# Altium PCB BLDC_DRIVER_1.2_AR.PcbDoc (part 1 of 3)
Units mil, origin at the board's own origin, x right, y up, seen from the top; angles counter-clockwise.
Board outline 6000 x 4990 mil, 4 copper layers (Top Layer, Signal Layer 1, Signal Layer 2, Bottom Layer), stack 33.334 mil thick; 219 components, 206 nets, 924 pads, 380 vias.
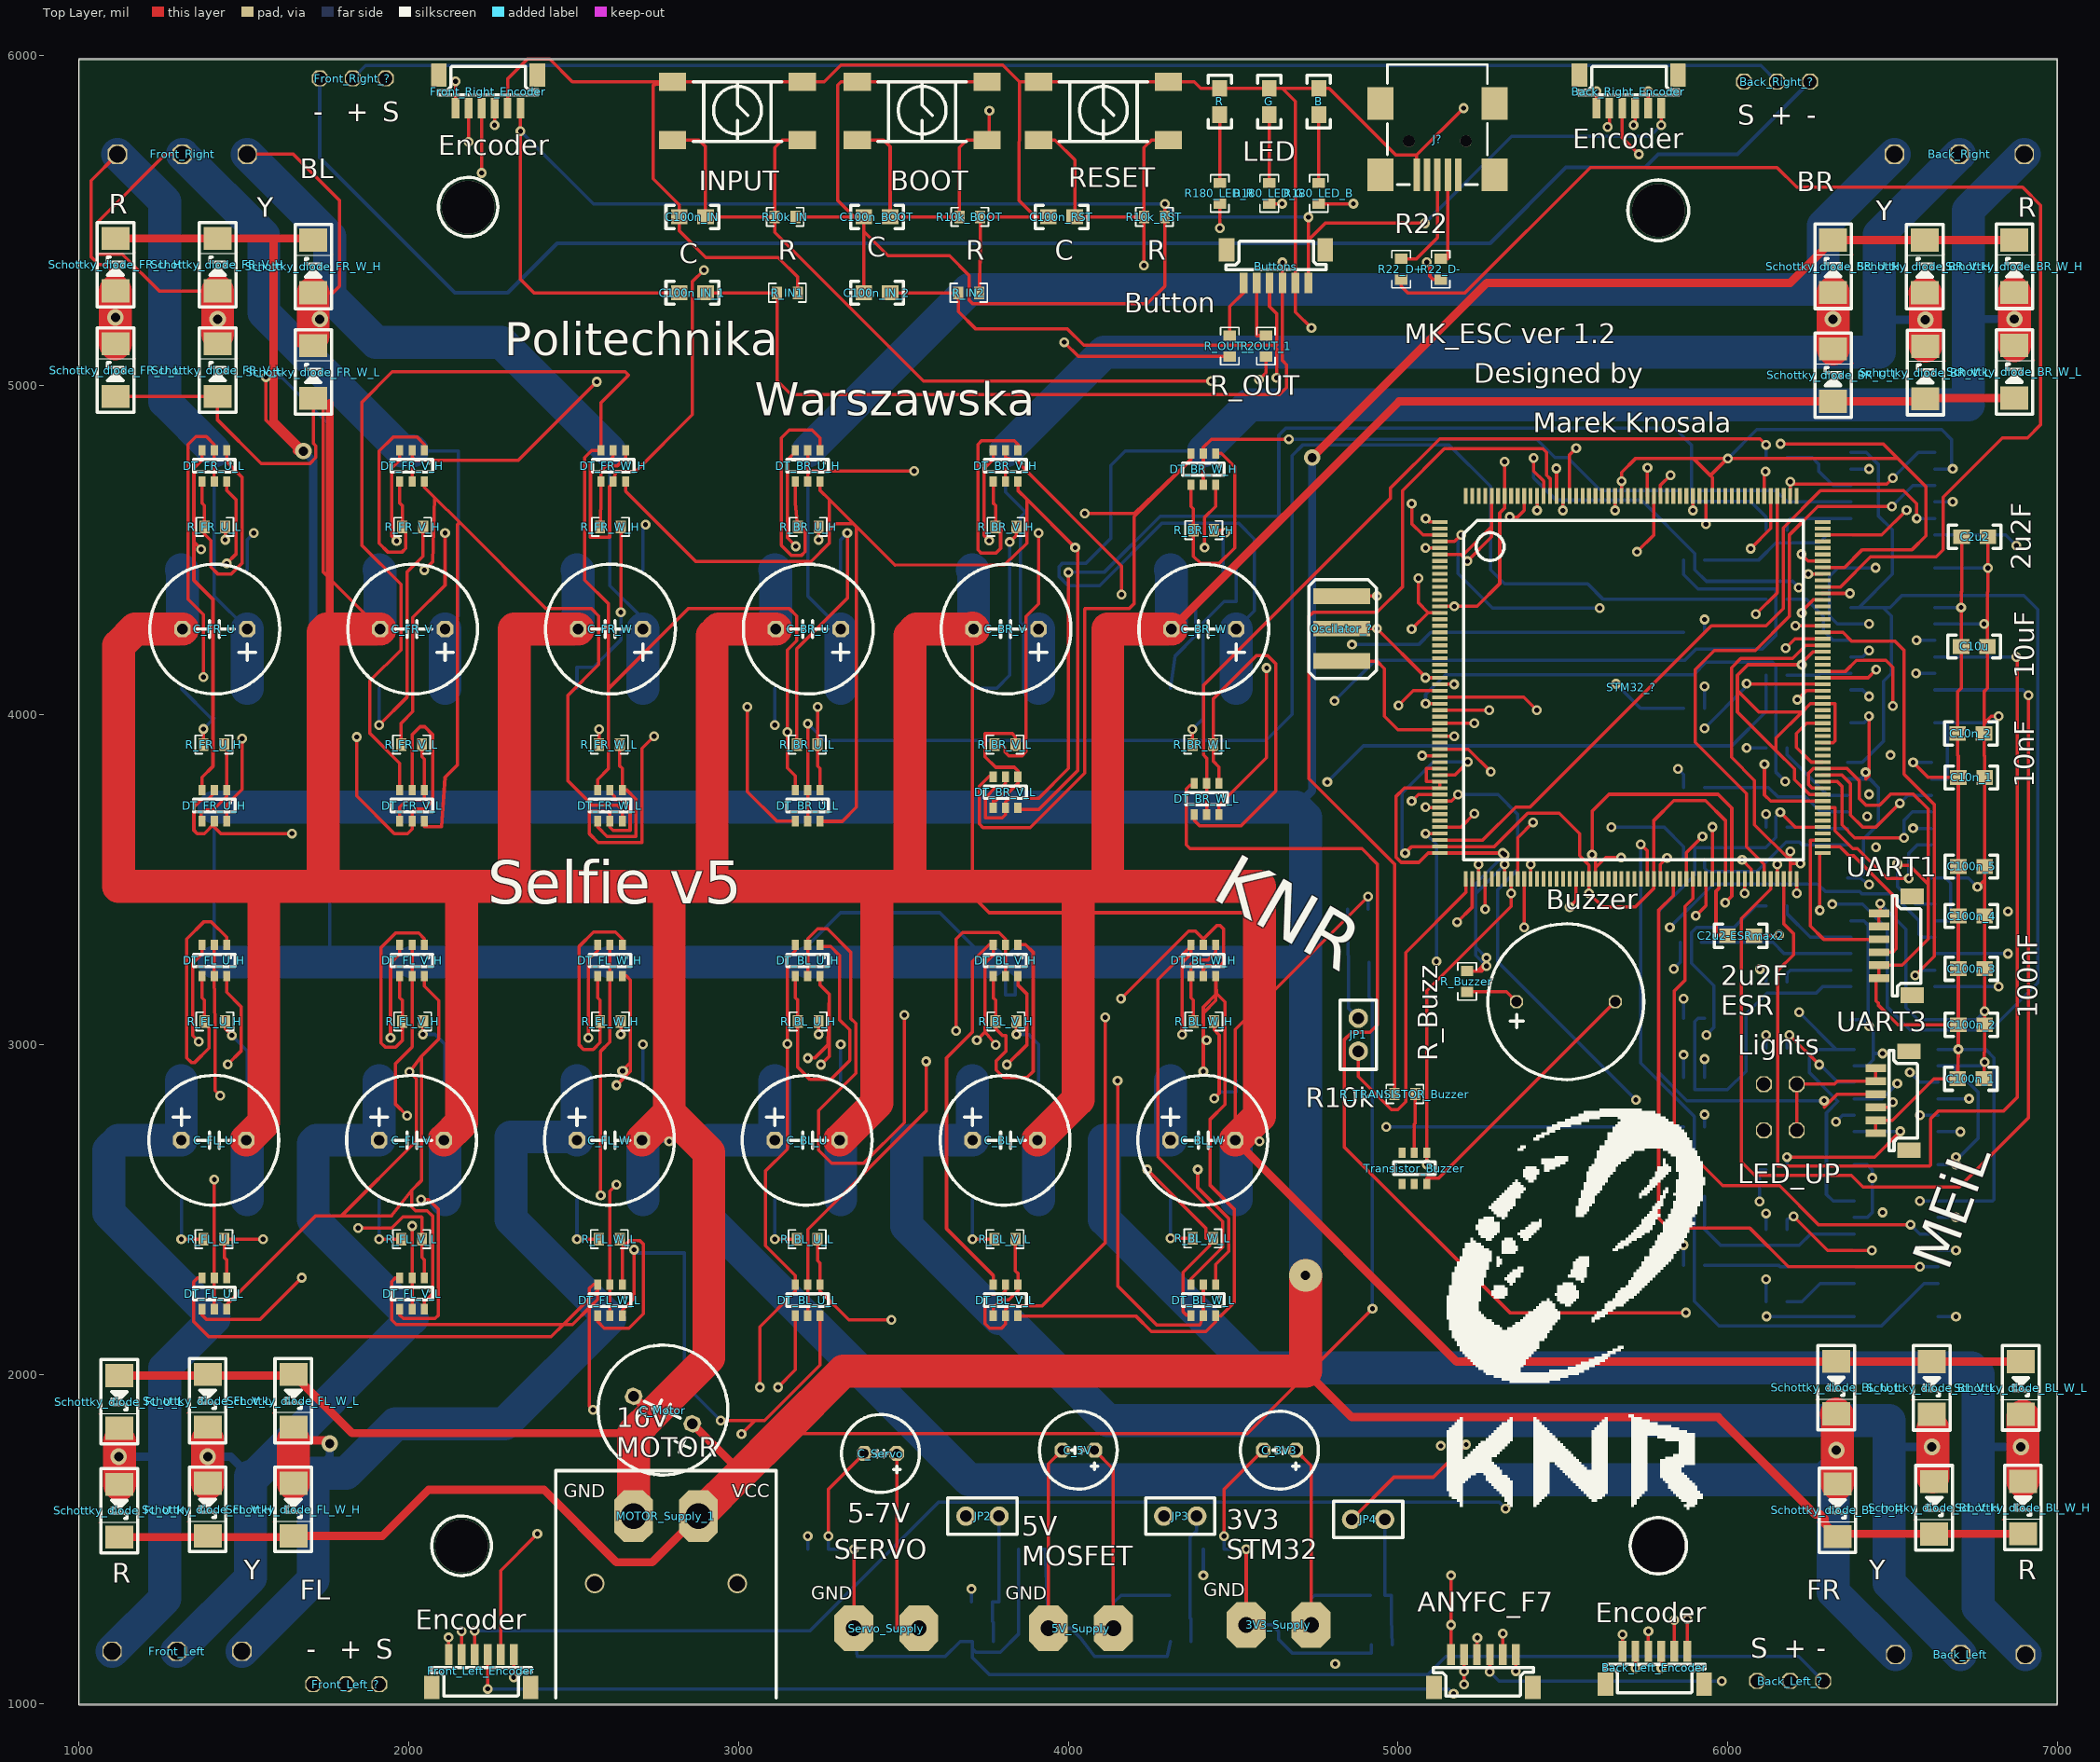
[diagram p0: Top Layer view]
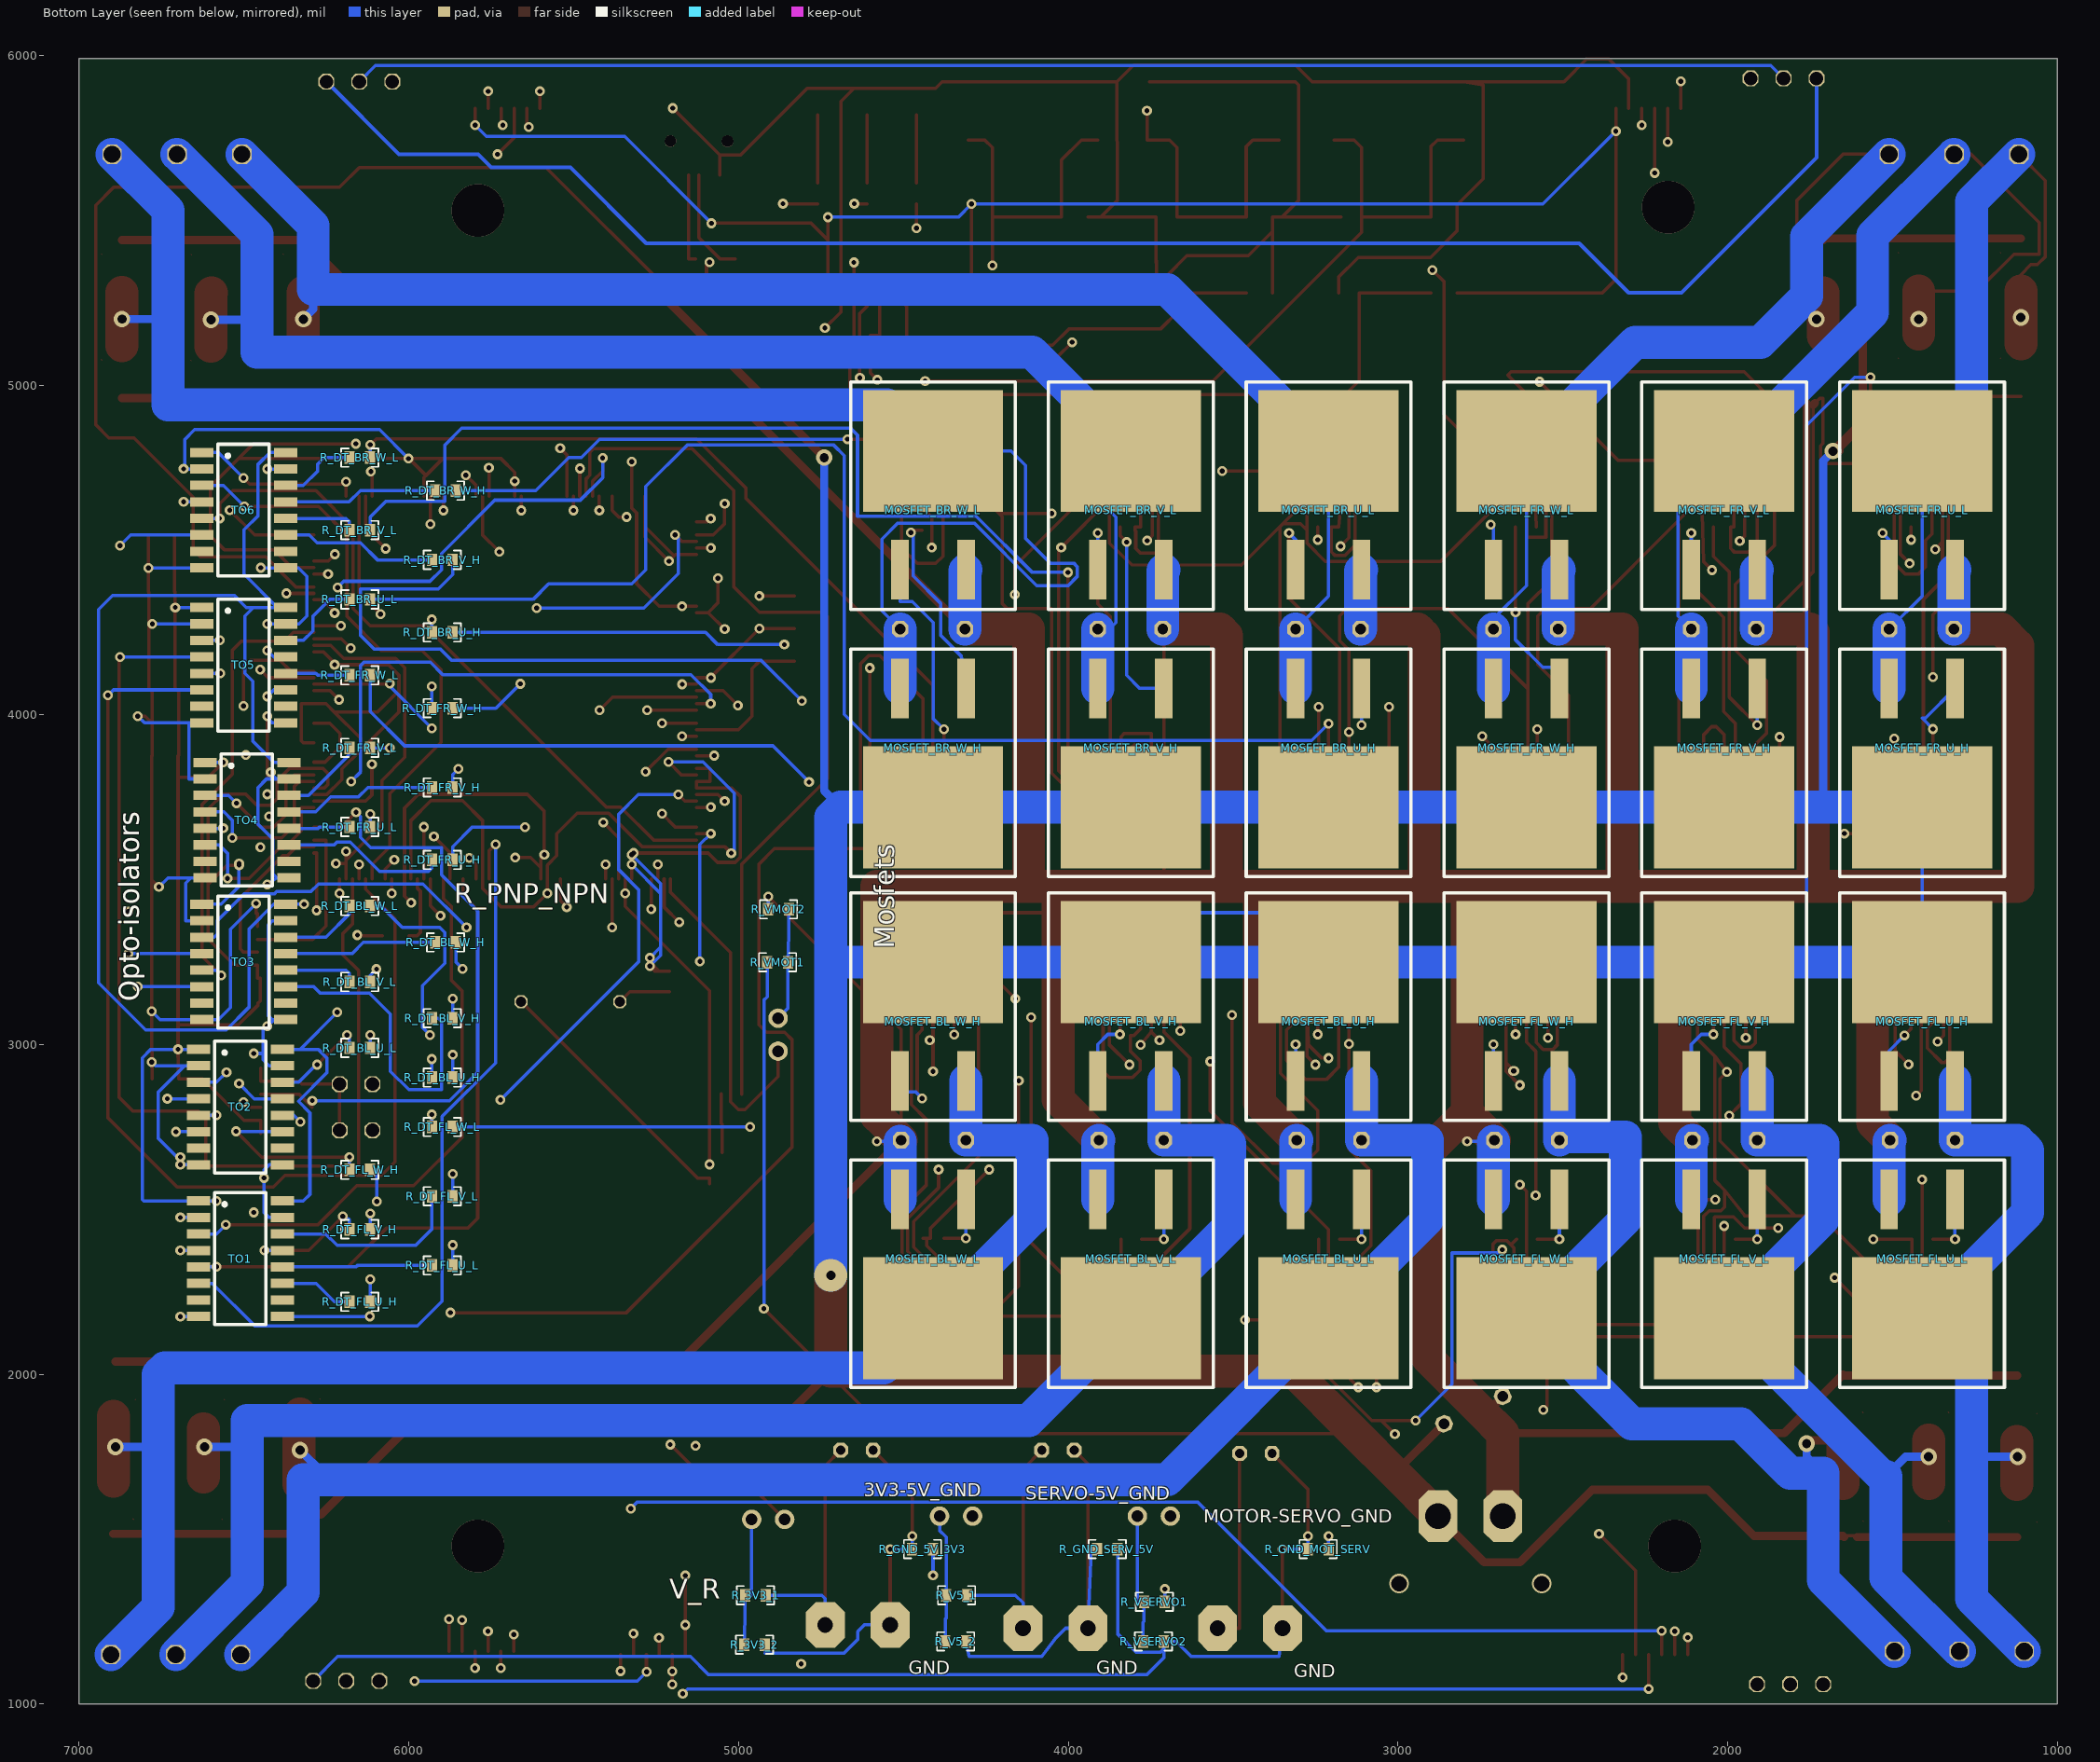
[diagram p1: Bottom Layer view, seen from below]
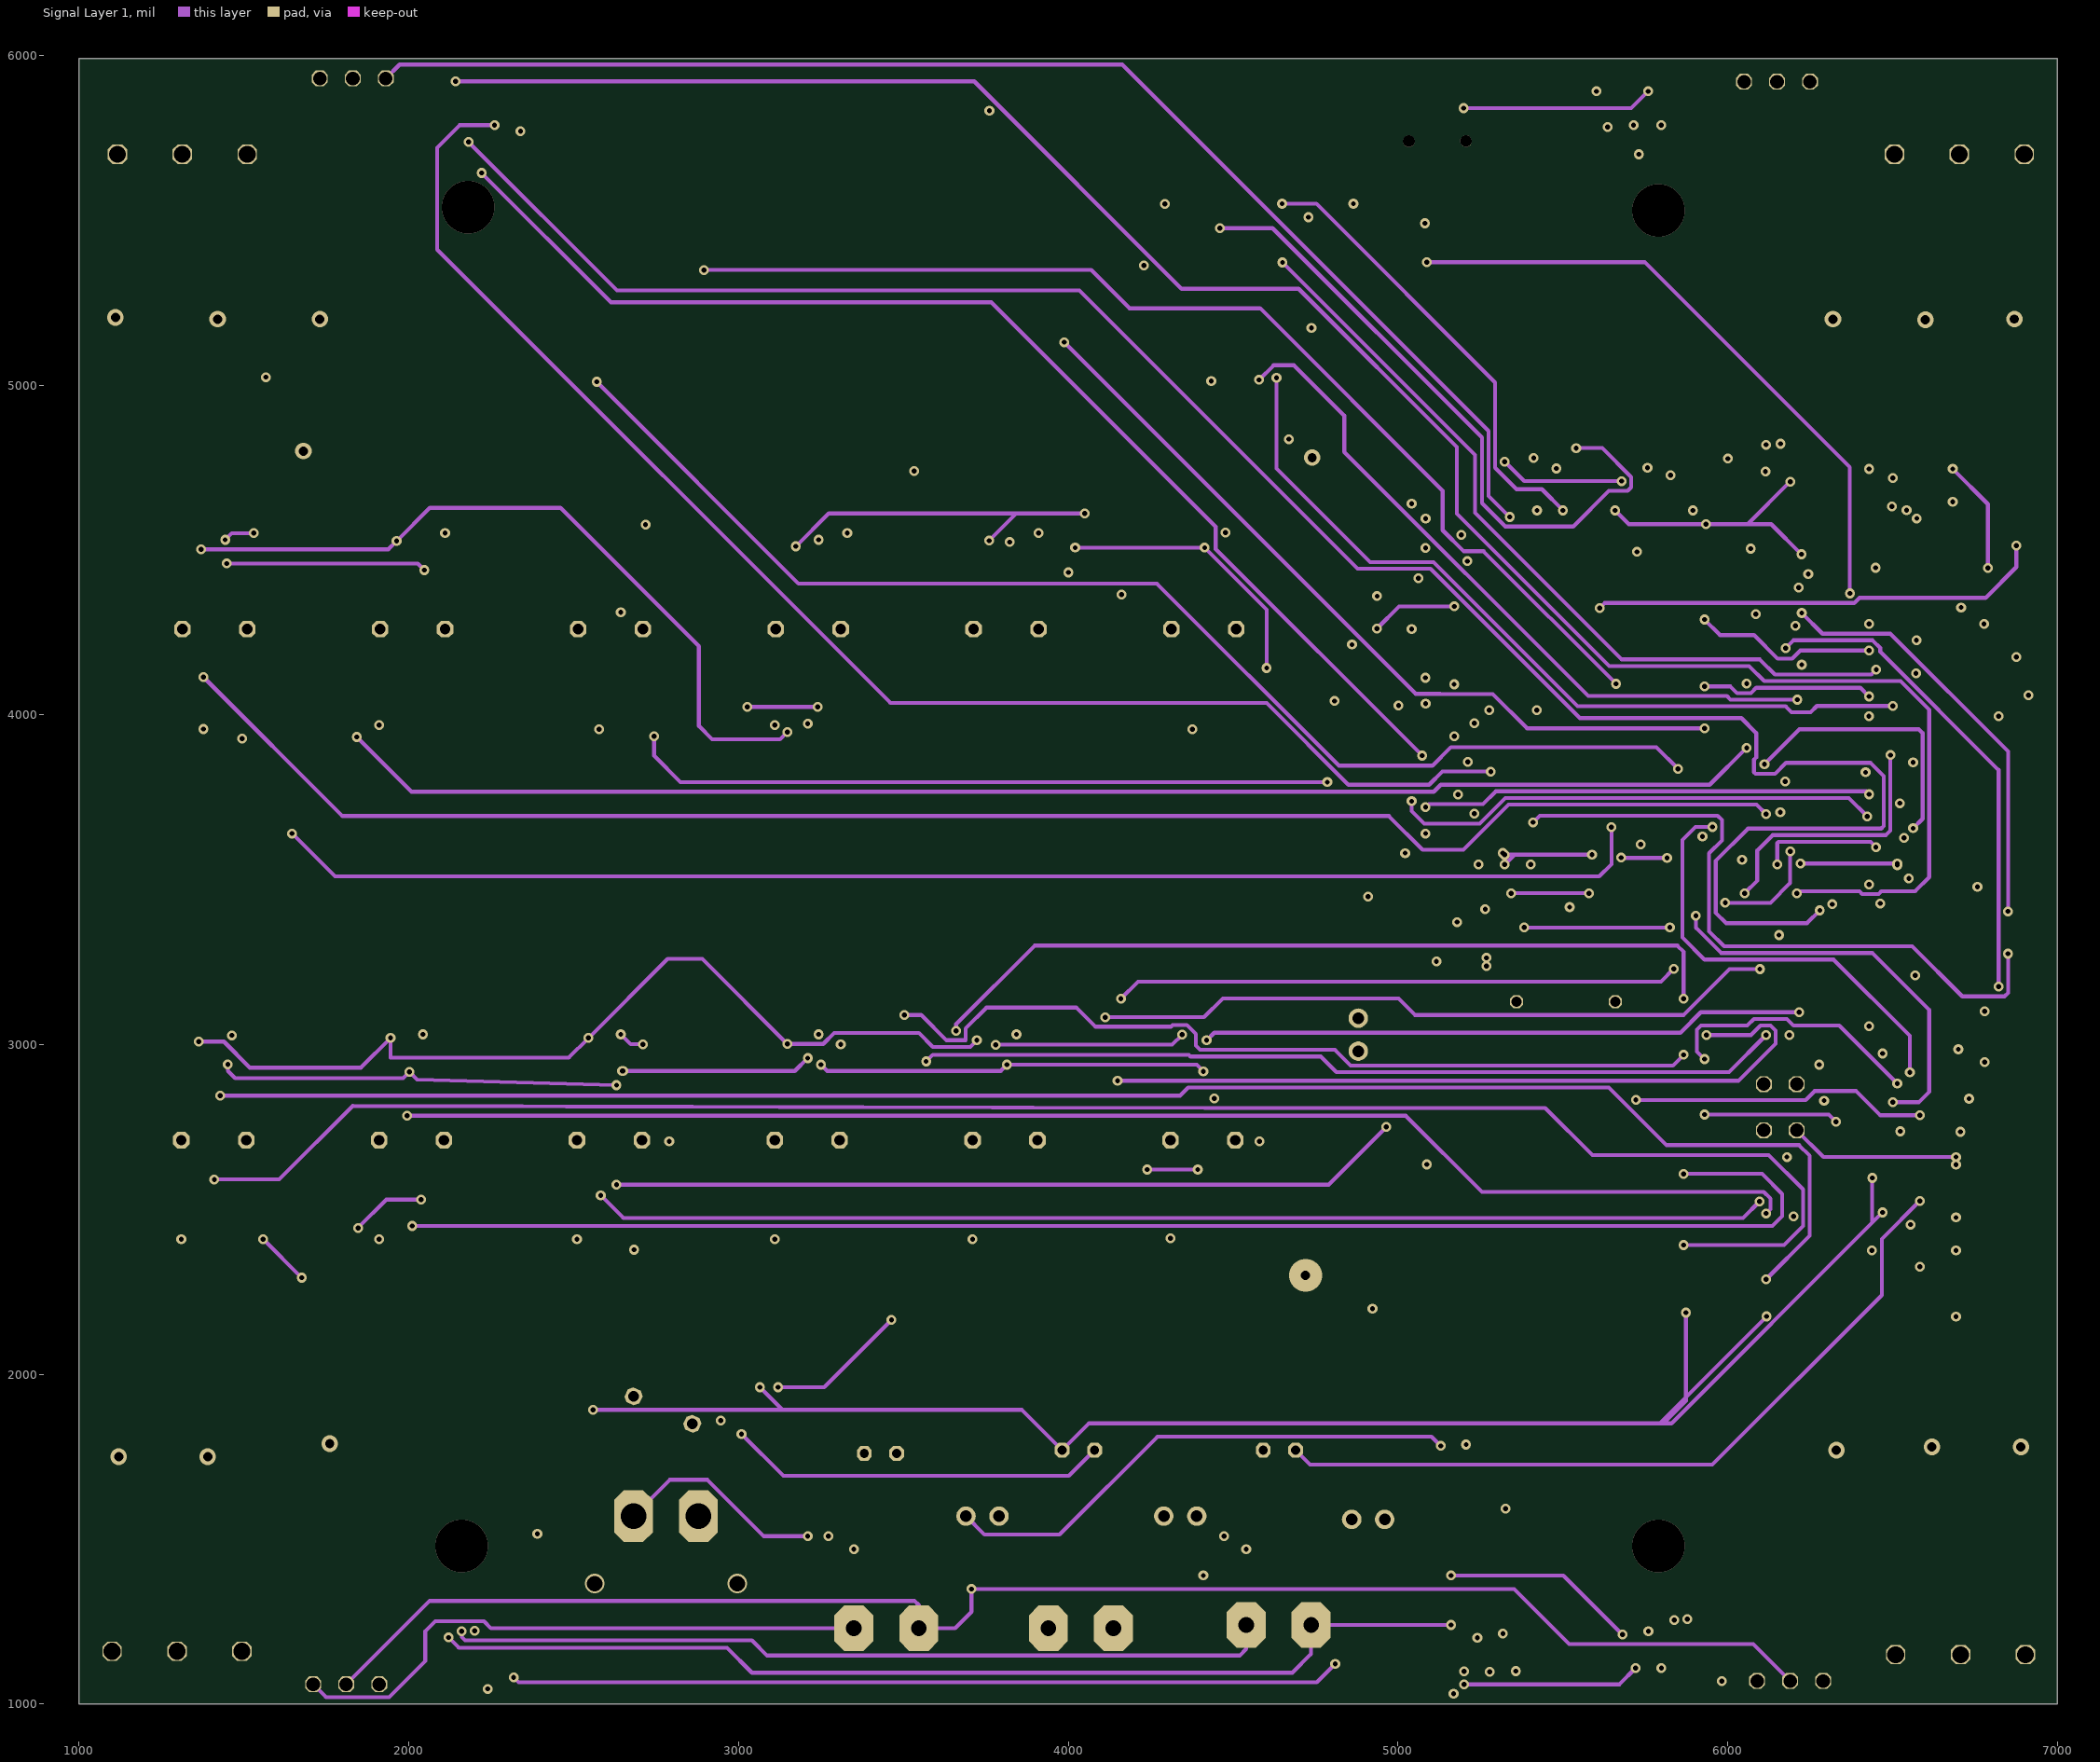
[diagram p2: Signal Layer 1]
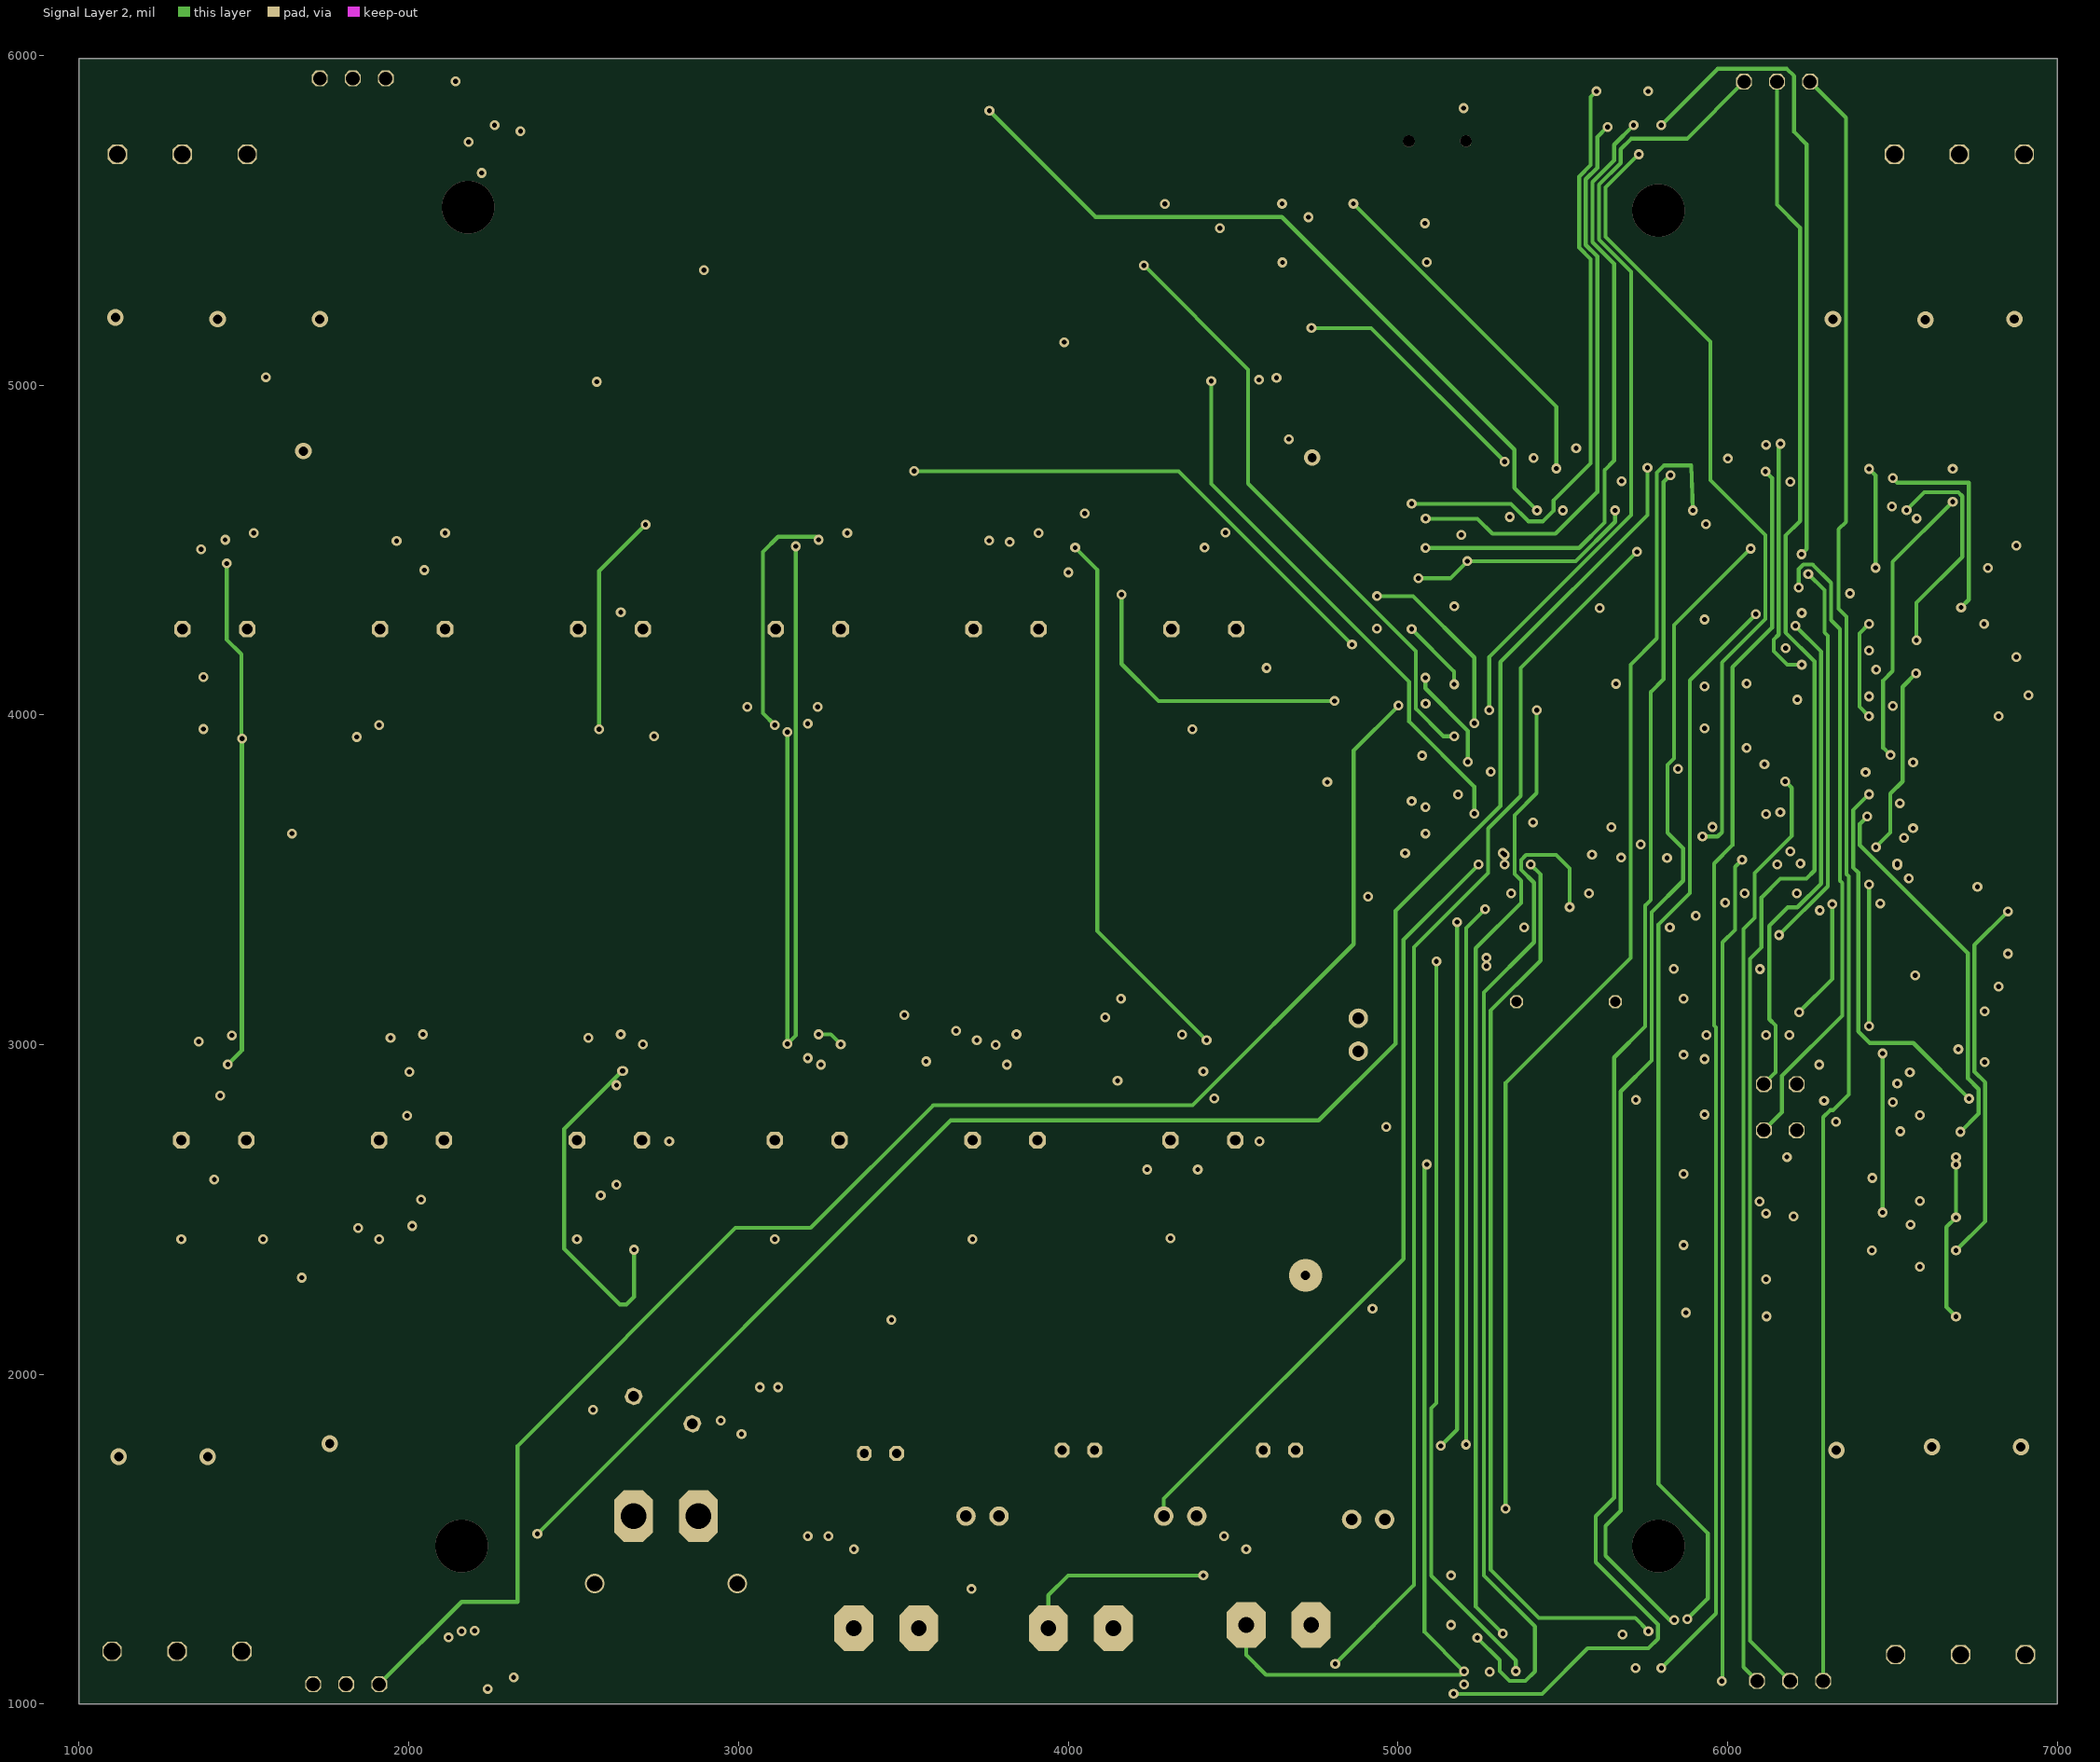
[diagram p3: Signal Layer 2]

## Layer stack, top to bottom
Top Solder: solder mask 0.4, Solder Resist, Dk 3.5
Top Layer: signal copper 4.1
Dielectric 1: core 10, FR-4, Dk 4.2
Signal Layer 1: signal copper 1.417
Dielectric 2: prepreg 5, Dk 4.2
Signal Layer 2: signal copper 1.417
Dielectric 5: core 10, Dk 4.2
Bottom Layer: signal copper 1.4
Bottom Solder: solder mask 0.4, Solder Resist, Dk 3.5

## Board outline
1000,1000 7000,1000 7000,5990 1000,5990

## Design rules (kind name [scope] priority, off if disabled: settings)
Clearance [All] p1: gap=8
PolygonConnect [All] p1: connectstyle=Relief reliefconductorwidth=10 reliefentries=4 polygonreliefangle="90 Angle" airgapwidth=10
RoutingVias [All] p1: holewidth=15 width=30 viastyle="Through Hole" minholewidth=15 minwidth=30 maxholewidth=28 maxwidth=50
SolderMaskExpansion [All] p1: expansion=4
Width [All] p1: maxlimit=100 minlimit=10 preferedwidth=12 toplayer_prefwidth=10 midlayer1_maxwidth=50 midlayer2_maxwidth=50 bottomlayer_prefwidth=10 minimp=50.000000 maximp=50.000000 favimp=50.000000
30 further rules are at their usual default settings.

## Components (designator, comment, footprint, x,y, rotation, side; value= is the part's Value field where it differs from the comment)
3V3_Supply "2-pin" 2-pin-zielony-prosty 4540,1240 r0 top
5V_Supply "2-pin" 2-pin-zielony-prosty 3940,1230 r0 top
ANYFC_F7 "SPI" "JST SR SH 1.0 TOP" 5110,1050 r0 top
B "LED" 0603 4760,5820 r90 top
Back_Left "3_phase_engine_con" DG300-5.0-03P-12-00A 6510,1150 r0 top
Back_Left_? "Servo_con" Raster_2.54_3pin 6290,1070 r180 top
Back_Left_Encoder "SPI" "JST SR SH 1.0 TOP" 5630,1060 r0 top
Back_Right "3_phase_engine_con" DG300R-5.0-03P-12-00A(H) 6900,5700 r180 top
Back_Right_? "Servo_con" Raster_2.54_3pin 6250,5920 r180 top
Back_Right_Encoder "SPI" "JST SR SH 1.0 TOP" 5850,5940 r180 top
BOOT "Tact_Switch" "LSH Gullwing" 3360,5920 r180 top
Buttons "BUTTONS" "JST SR SH 1.0 TOP" 4780,5410 r180 top
Buzzer "LD-BZEG-1205/3" Buzzer_LOUDITY 5360,3130 r180 top
C2u2 "Cap" 0603 6790,4540 r180 top
C2u2-ESRmax2 "Cap" 0603 6080,3330 r180 top
C10n_1 "Cap" 0603 6780,3810 r180 top
C10n_2 "Cap" 0603 6777.95,3943.51 r180 top
C10u "Cap" 0603 6788.58,4207.22 r180 top
C100n_1 "Cap" 0603 6777.95,2896.35 r180 top
C100n_2 "Cap" 0603 6780,3060 r180 top
C100n_3 "Cap" 0603 6780,3230 r180 top
C100n_4 "Cap" 0603 6780,3390 r180 top
C100n_5 "Cap" 0603 6780,3540 r180 top
C100n_BOOT "Cap" 0603 3460,5510 r180 top
C100n_IN "Cap" 0603 2900,5510 r180 top
C100n_IN_1 "Cap" 0603 2900,5280 r180 top
C100n_IN_2 "Cap" 0603 3460,5280 r180 top
C100n_RST "Cap" 0603 4020,5510 r180 top
C_3V3 "Cap_pol" 2.5mm 4690,1770 r180 top
C_5V "Cap_pol" 2.5mm 4080,1770 r180 top
C_BL_U "Cap_pol" 5mm 3110,2710 r0 top
C_BL_V "Cap_pol" 5mm 3710,2710 r0 top
C_BL_W "Cap_pol" 5mm 4310,2710 r0 top
C_BR_U "Cap_pol" 5mm 3310,4260 r180 top
C_BR_V "Cap_pol" 5mm 3910,4260 r180 top
C_BR_W "Cap_pol" 5mm 4510,4260 r180 top
C_FL_U "Cap_pol" 5mm 1310,2710 r0 top
C_FL_V "Cap_pol" 5mm 1910,2710 r0 top
C_FL_W "Cap_pol" 5mm 2510,2710 r0 top
C_FR_U "Cap_pol" 5mm 1510,4260 r180 top
C_FR_V "Cap_pol" 5mm 2110,4260 r180 top
C_FR_W "Cap_pol" 5mm 2710,4260 r180 top
C_Motor "Cap_pol" 5mm 2860,1850 r155 top
C_Servo "Cap_pol" 2.5mm 3480,1760 r180 top
DT_BL_U_H "Dual_transistors" SOT457 3210,3190 r180 top
DT_BL_U_L "Dual_transistors" SOT457 3210,2160 r180 top
DT_BL_V_H "Dual_transistors" SOT457 3810,3190 r180 top
DT_BL_V_L "Dual_transistors" SOT457 3810,2160 r180 top
DT_BL_W_H "Dual_transistors" SOT457 4410,3190 r180 top
DT_BL_W_L "Dual_transistors" SOT457 4410,2160 r180 top
DT_BR_U_H "Dual_transistors" SOT457 3210,4690 r180 top
DT_BR_U_L "Dual_transistors" SOT457 3210,3660 r180 top
DT_BR_V_H "Dual_transistors" SOT457 3810,4690 r180 top
DT_BR_V_L "Dual_transistors" SOT457 3810,3700 r180 top
DT_BR_W_H "Dual_transistors" SOT457 4410,4680 r180 top
DT_BR_W_L "Dual_transistors" SOT457 4420,3680 r180 top
DT_FL_U_H "Dual_transistors" SOT457 1410,3190 r180 top
DT_FL_U_L "Dual_transistors" SOT457 1410,2180 r180 top
DT_FL_V_H "Dual_transistors" SOT457 2010,3190 r180 top
DT_FL_V_L "Dual_transistors" SOT457 2010,2180 r180 top
DT_FL_W_H "Dual_transistors" SOT457 2610,3190 r180 top
DT_FL_W_L "Dual_transistors" SOT457 2610,2160 r180 top
DT_FR_U_H "Dual_transistors" SOT457 1410,3660 r180 top
DT_FR_U_L "Dual_transistors" SOT457 1410,4690 r180 top
DT_FR_V_H "Dual_transistors" SOT457 2010,4690 r180 top
DT_FR_V_L "Dual_transistors" SOT457 2010,3660 r180 top
DT_FR_W_H "Dual_transistors" SOT457 2620,4690 r180 top